# KiCad board for_real_486_2.kicad_pcb (continued)
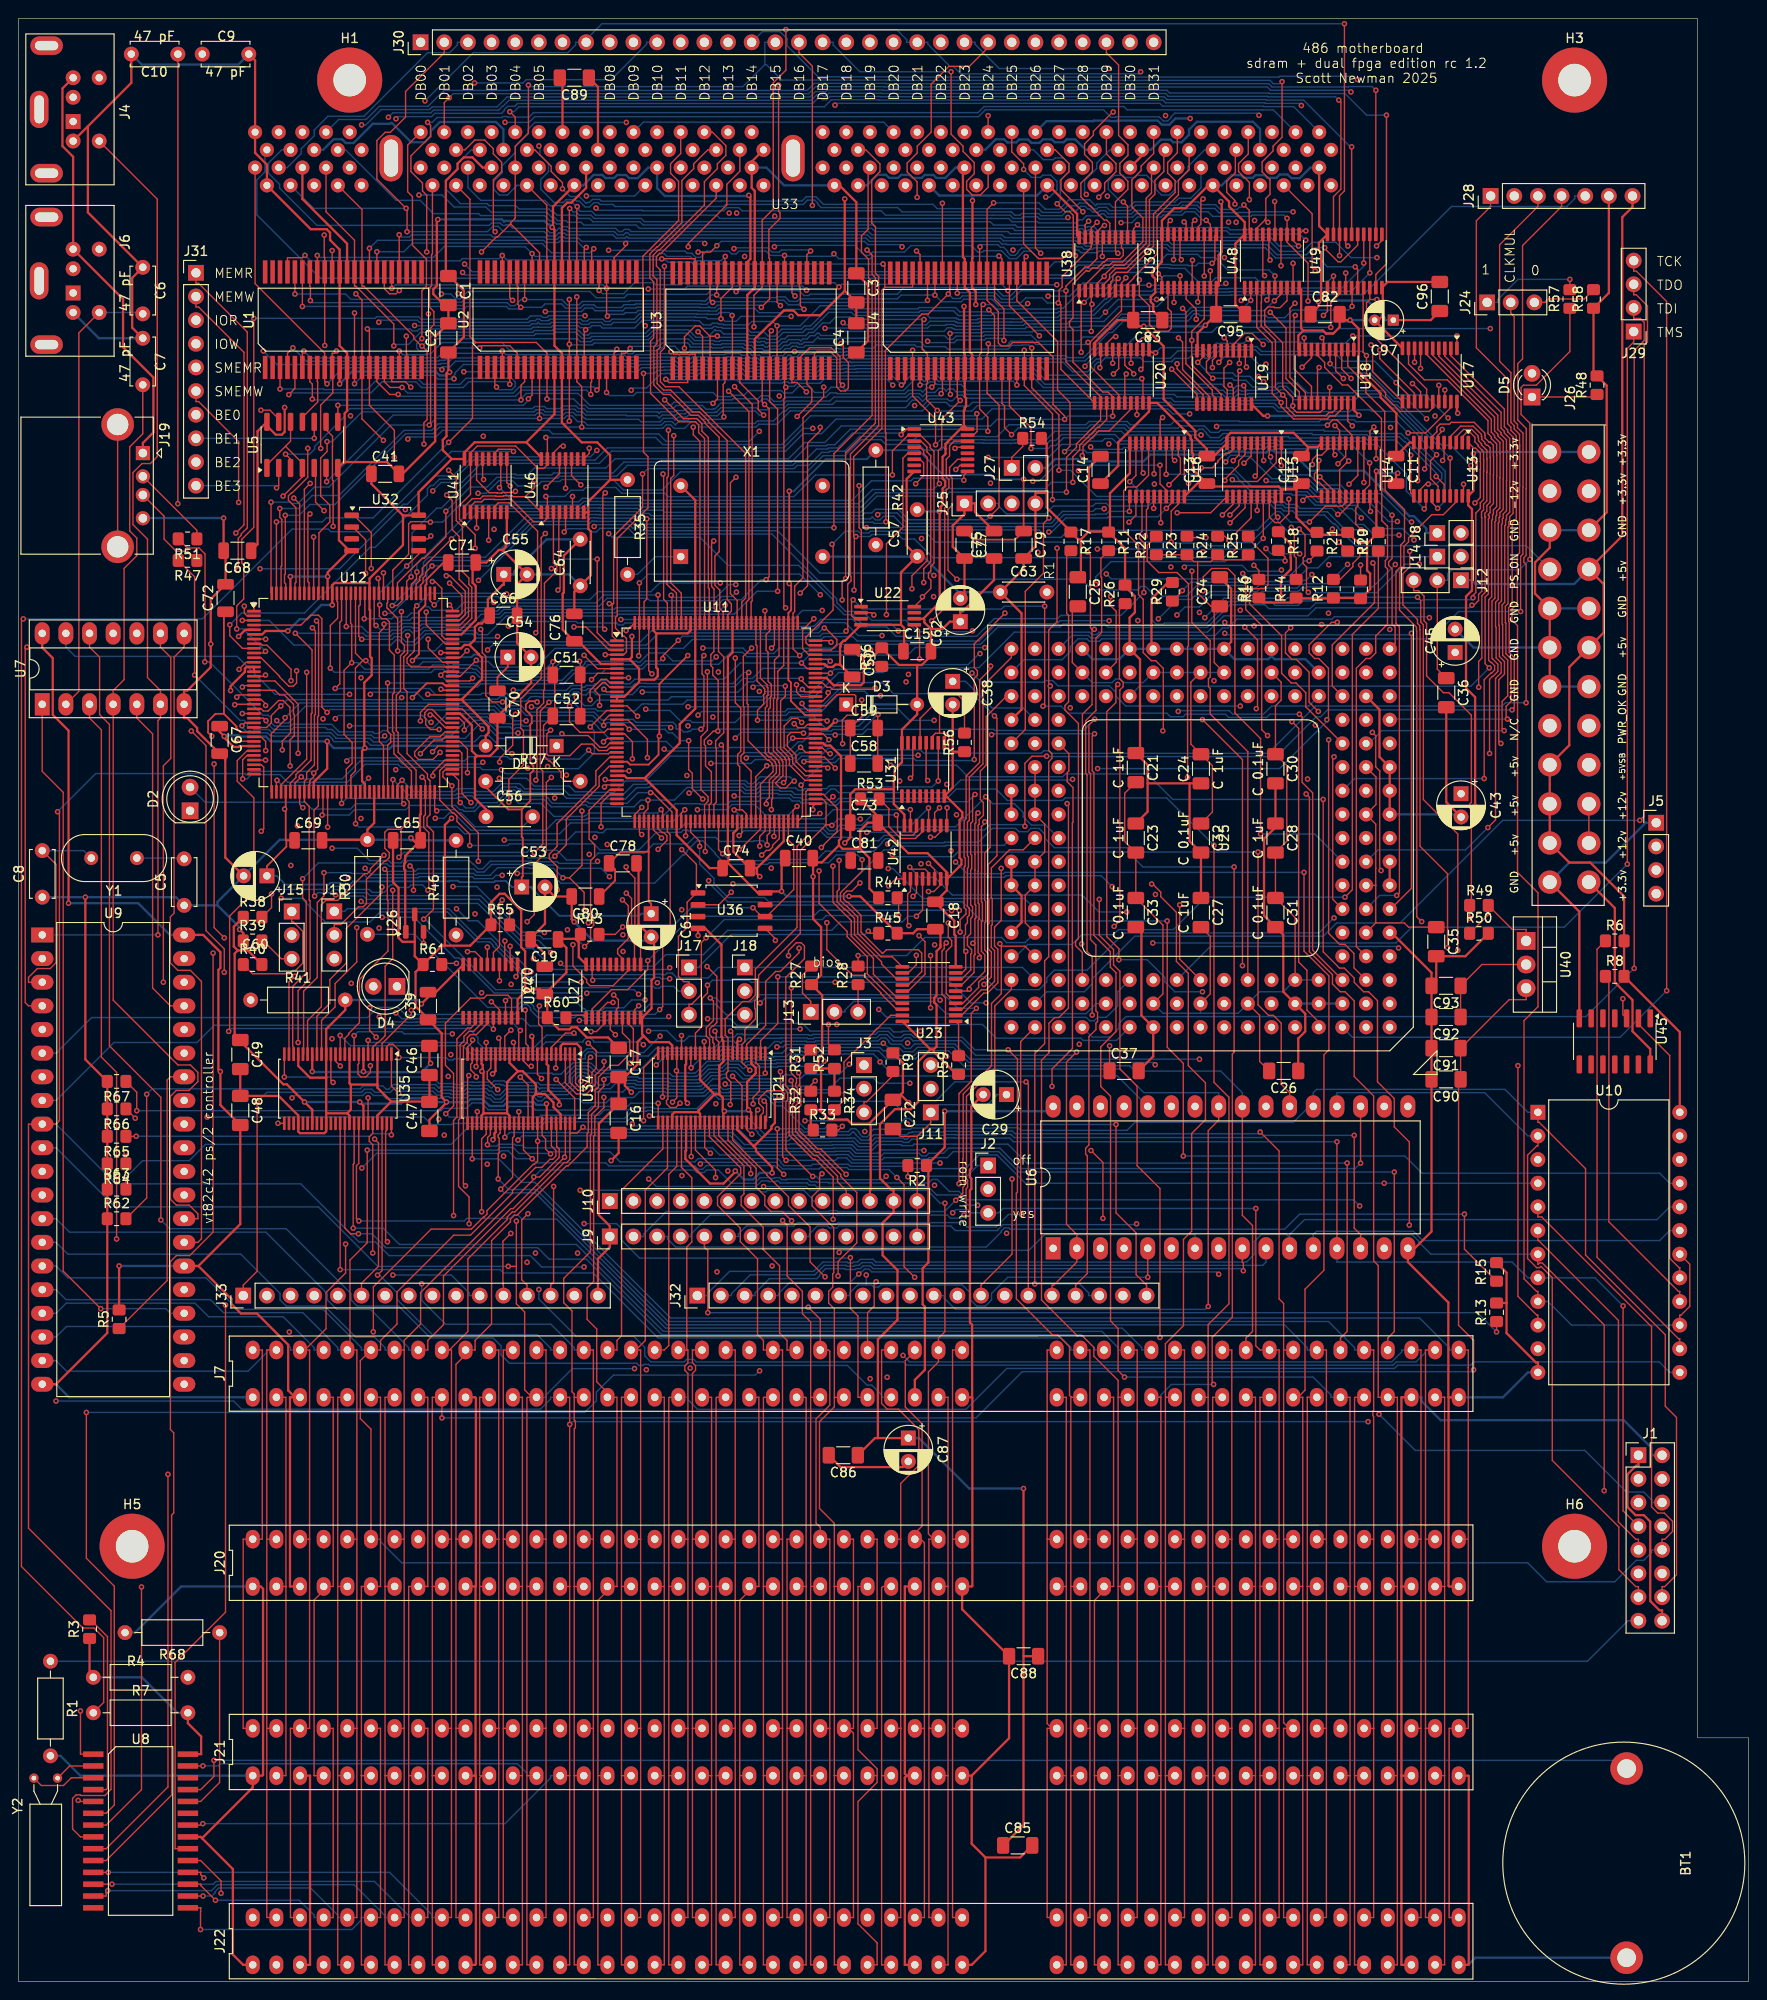
[diagram p0: board, top side]
## Routing (per net, layer and track width the routed paths; a pad name or vN(x,y) marks a point on that pad's centre or on a via; arc(x,y) is an arc through that point) (continued)
DB34: length 128.6
  Top w0.15: v1(143.57,184.16) 143.83,183.89 U49.6
  Bottom w0.15: U33.88 28.26,196.72 26.84,195.31 26.84,194.21 28.03,193.03 28.03,192.63 32.04,188.62 50.55,188.62 50.8,188.87 51.73,188.87 51.99,188.6 52.3,188.6 52.39,188.69 52.68,188.69 53.08,188.3 56.72,188.3 56.73,188.28 56.73,188.16 57.07,187.83 57.55,187.83 58.02,188.3 58.12,188.3 58.3,188.12 58.8,188.12 58.97,187.95 60.42,187.95 60.43,187.95 63.98,187.95 64.33,187.6 64.99,187.6 65.22,187.83 65.41,187.83 65.65,187.6 91.16,187.6 91.52,187.24 103.64,187.24 103.65,187.24 105.48,187.24 105.77,186.95 113.57,186.95 113.86,186.65 114.34,186.65 114.61,186.38 115.19,186.38 115.37,186.55 115.74,186.55 115.75,186.56 123.39,186.56 123.74,186.2 133.92,186.2 135.01,185.11 139.63,185.11 140.59,184.16 v1(143.57,184.16)
DB35: length 138.8
  Top w0.15: U49.9 145.79,183.35 146.93,184.49 v1(146.93,200.45)
  In2.Cu w0.15: U33.89 31.55,199.7 36.55,199.7 v1(36.84,199.41)
  Bottom w0.15: v1(146.93,200.45) 144.79,200.45 142.47,202.77 134.34,202.77 134.28,202.83 123.64,202.83 123.34,203.13 92.85,203.13 92.82,203.16 86.86,203.16 86.6,202.9 86.54,202.9 86.45,202.98 85.58,202.98 85,202.4 52.46,202.4 51.4,201.35 44.42,201.35 44.13,201.05 38.95,201.05 37.31,199.41 v1(36.84,199.41)
DB36: length 130.8
  Top w0.15: U49.12 v1(145.79,203.12)
  Bottom w0.15: U33.91 34.38,199.99 37.33,199.99 38.75,201.4 43.98,201.4 45.69,203.11 84.71,203.11 85.46,203.86 93.11,203.86 93.14,203.83 134.27,203.83 134.63,203.48 142.82,203.48 142.87,203.53 145.38,203.53 v1(145.79,203.12)
DB37: length 117.4
  Top w0.15: U49.15 143.83,186.49 142.05,184.71 141.72,184.71 140.29,186.13 v1(140.29,186.22)
  Bottom w0.15: U33.92 35.12,196.72 40.55,191.3 43.14,191.3 44.56,189.88 49.41,189.88 49.62,189.67 56.48,189.67 57.05,189.1 57.43,189.1 57.56,188.97 57.76,188.76 58.16,188.76 58.44,188.48 58.94,188.48 59.12,188.3 64.12,188.3 64.48,187.95 64.84,187.95 65.08,188.19 65.55,188.19 65.79,187.95 91.31,187.95 91.66,187.6 105.62,187.6 105.91,187.3 114.18,187.3 114.76,186.73 115.05,186.73 115.23,186.91 123.54,186.91 123.89,186.56 134.07,186.56 135.15,185.47 137.1,185.47 137.1,185.47 138.35,185.47 139.1,186.22 v1(140.29,186.22)
DB38: length 121.1
  Top w0.15: U49.16 v1(143.19,197.05)
  In1.Cu w0.15: v1(40.53,200.06) 39.15,198.68 35.61,198.68 U33.93
  Bottom w0.15: v1(143.19,197.05) 143.05,197.05 138.03,202.07 134.05,202.07 133.99,202.12 123.35,202.12 123.05,202.43 92.56,202.43 92.53,202.46 87.15,202.46 86.8,202.1 86.34,202.1 86.16,202.28 85.87,202.28 85.29,201.7 53.59,201.7 53.28,201.39 53,201.39 53,201.4 52.52,201.4 52.18,201.06 52.18,200.95 51.87,200.64 44.71,200.64 44.36,200.29 40.77,200.29 v1(40.53,200.06)
DB39: length 123.2
  Top w0.15: v1(141.81,202.07) 142.03,201.84 142.03,192.51 141.24,191.71 U49.19
  In2.Cu w0.15: U33.94 39.72,199.62 v1(39.72,200.23)
  Bottom w0.15: v1(39.72,200.23) 40.19,200.7 44.27,200.7 44.57,200.99 51.55,200.99 51.96,201.4 52.02,201.4 52.68,202.05 85.14,202.05 85.72,202.63 86.31,202.63 86.48,202.46 86.66,202.46 87.01,202.81 92.67,202.81 92.7,202.78 123.19,202.78 123.49,202.48 134.14,202.48 134.19,202.42 141.46,202.42 v1(141.81,202.07)
DB40: length 120.5
  Top w0.15: v1(43.32,176.45) 43.32,181.6 43.81,182.09 43.81,184.98 43.6,185.19 43.6,185.19 42.3,186.48 42.3,191.71 41.79,192.22 41.79,197.24 U33.95 ; U48.2 v1(132.34,180.56)
  Bottom w0.15: v1(43.32,176.45) 42.75,175.89 42.75,175.42 43.1,175.07 43.57,175.07 44.93,176.43 60.02,176.43 60.32,176.13 61.44,176.13 61.46,176.15 61.51,176.15 61.69,176.33 67.66,176.33 68.37,177.04 71.8,177.04 72.6,176.24 74.71,176.24 74.81,176.15 75.28,176.15 75.38,176.24 78.05,176.24 78.21,176.08 78.86,176.08 79.21,175.73 79.8,175.73 79.86,175.78 79.96,175.78 80.2,175.54 80.44,175.54 80.56,175.66 81.67,175.66 82.08,176.08 82.45,176.08 82.71,176.34 83.87,176.34 84,176.21 84.03,176.21 84.23,176.41 84.69,176.41 85.04,176.76 85.51,176.76 85.77,177.03 85.94,177.03 86.19,176.78 87.9,176.78 88.34,177.23 99.39,177.23 99.78,177.61 100.26,177.61 100.35,177.52 100.47,177.52 100.56,177.43 103.38,177.43 103.48,177.53 106.37,177.53 106.38,177.52 108.1,177.52 108.25,177.68 109.26,177.68 109.26,177.68 110.03,177.68 110.03,177.68 113.89,177.68 114.03,177.81 117.17,177.81 118.43,179.07 125.22,179.07 125.96,179.8 131.59,179.8 v1(132.34,180.56)
DB41: length 136.5
  Top w0.15: U33.97 45.72,201.8 v1(46.25,202.32) ; U48.5 134.3,180.81 v1(134.09,180.6)
  In2.Cu w0.15: v1(143.11,202.95) 143.11,197.84 142.38,197.11 142.38,192.85 138.97,189.44 138.97,184.8 136.36,182.19 136.36,180.14 136.93,179.58 137.34,179.58 137.71,179.2 137.71,178.68 137.39,178.36 136.67,178.36 135.47,179.57 135.47,180.75 135.13,181.08 134.57,181.08 v1(134.09,180.6)
  Bottom w0.15: v1(143.11,202.95) 142.93,203.12 134.48,203.12 134.13,203.48 92.99,203.48 92.96,203.51 85.61,203.51 84.85,202.76 46.68,202.76 v1(46.25,202.32)
DB42: length 110.6
  Top w0.15: 134.94,181.92 v1(134.94,183.19) ; U33.98 47.94,196.72 49,197.78 50.06,197.78 50.98,196.86 50.98,196.3 51.88,195.4 51.88,194.39 50.99,193.5 50.99,188.13 v1(51.18,187.94)
  In2.Cu w0.15: v1(47.9,184.46) 49.26,184.46 51.18,186.38 v1(51.18,187.94)
  Bottom w0.15: v1(134.94,183.19) 134.3,183.83 129.87,183.83 128.55,185.16 126.97,185.16 126.63,185.5 123.34,185.5 122.62,184.78 116.73,184.78 116.64,184.7 111.31,184.7 110.25,183.64 48.73,183.64 v1(47.9,184.46)
DB43: length 107.2
  Top w0.15: U48.9 v1(136.89,184.54)
  In2.Cu w0.15: v1(55.88,197.14) 55.24,197.79 54.09,197.79 53.86,197.56 52.82,197.56 52.6,197.78 51.54,197.78 51.31,197.55 50.29,197.55 49.21,198.63 U33.99 ; v1(136.89,190.07) v1(136.89,184.54)
  Bottom w0.15: v1(136.89,190.07) 132.37,190.07 132.3,190 131.06,190 131.03,189.97 128.94,189.97 128.48,190.43 126.93,190.43 126.58,190.78 125.02,190.78 124.67,190.43 122.64,190.43 122.42,190.21 120.47,190.21 120.47,190.21 119.9,190.21 119.54,189.85 117.06,189.85 116.71,190.2 116.14,190.2 115.96,190.03 115.38,190.03 115.04,190.37 114.85,190.37 114.56,190.66 114.08,190.66 113.59,190.16 112.6,190.16 112.09,189.65 109.81,189.65 109.58,189.88 107.75,189.88 107.57,189.71 106.99,189.71 106.64,190.06 94.89,190.06 94.42,190.53 86.19,190.53 85.84,190.89 85.84,190.99 85.5,191.33 84.74,191.33 84.27,190.86 75.94,190.86 75.72,190.64 64.06,190.64 63.84,190.86 62.45,190.86 62.26,191.05 61.79,191.05 61.32,190.59 60.86,190.59 60.78,190.67 60.23,191.21 59.93,191.21 59.78,191.36 58.81,191.36 58.51,191.06 58.45,191.06 58.44,191.08 57.52,191.08 56.08,192.51 56.08,193.55 56.92,194.39 56.92,195.25 56,196.17 56,197.03 v1(55.88,197.14)
DB44: length 102.1
  Top w0.15: U48.12 136.89,186.99 v1(137.49,186.39)
  Bottom w0.15: U33.100 48.62,196.72 47.11,195.21 47.11,194.7 45.92,193.51 45.92,192.48 47.46,190.94 50.33,190.94 50.55,190.72 53.4,190.72 53.75,190.37 56.95,190.37 57.16,190.16 57.36,190.16 57.82,189.71 59.73,189.71 60.08,189.36 61.33,189.36 61.68,189 66.73,189 67.08,188.65 91.78,188.65 92.13,188.3 106.79,188.3 107.03,188.06 113.77,188.06 113.96,188.26 114.25,188.26 114.45,188.06 114.92,188.06 114.99,188.13 115.35,188.13 115.8,187.67 123.94,187.67 124.29,187.32 134.47,187.32 135.4,186.39 v1(137.49,186.39)
DB45: length 98.7
  Top w0.15: v1(134.91,191.18) 134.94,191.15 134.94,187.65
  In1.Cu w0.15: v1(52.24,199.68) 51.86,199.68 U33.101
  In2.Cu w0.15: v1(133.23,200.43) 133.23,198.41 134.44,197.2 134.44,196.11 133.58,195.25 133.58,194.39 134.82,193.15 134.82,191.27 v1(134.91,191.18)
  Bottom w0.15: v1(52.24,199.68) 54.83,199.68 55.44,200.29 103.11,200.29 103.84,201.02 116.54,201.02 117.34,200.22 117.82,200.22 117.87,200.27 122.52,200.27 122.62,200.17 122.96,199.83 123.43,199.83 123.77,200.17 123.77,200.24 124.2,200.67 133,200.67 v1(133.23,200.43)
DB46: length 113.5
  Top w0.15: U33.103 53.34,200.24 v1(52.76,200.82) ; U48.16 134.3,185.01 v1(134.42,184.88)
  In2.Cu w0.15: v1(134.42,184.88) 134.83,185.29 134.83,188.88 137.83,191.87 138.86,191.87 139.58,192.59 139.58,193.03 142.02,195.48 142.02,197.78 138.31,201.49 v1(137.79,201.49)
  Bottom w0.15: v1(52.76,200.82) 53.21,200.82 53.74,201.35 86.54,201.35 87.3,202.1 92.38,202.1 92.41,202.07 122.9,202.07 123.2,201.77 133.85,201.77 133.9,201.72 137.56,201.72 v1(137.79,201.49)
DB47: length 86.5
  Top w0.15: v1(58.42,192.54) 58.42,193.19 57.2,194.41 57.2,194.96 55.44,196.72 U33.104 ; v1(131.61,190.81) 132.18,190.24 132.18,187.81 U48.19
  Bottom w0.15: v1(131.61,190.81) 131.36,190.56 131.12,190.56 130.89,190.32 129.08,190.32 128.57,190.84 127.02,190.84 126.73,191.13 124.88,191.13 124.52,190.78 119.97,190.78 119.4,190.21 117.21,190.21 116.86,190.56 115.99,190.56 115.82,190.38 115.53,190.38 115.19,190.72 115,190.72 114.71,191.01 113.94,191.01 113.65,190.72 112.65,190.72 111.94,190 109.95,190 109.55,190.41 98.67,190.41 98.2,190.88 86.45,190.88 85.64,191.68 84.59,191.68 84.14,191.23 75.49,191.23 75.47,191.21 62.6,191.21 62.41,191.4 61.64,191.4 61.33,191.09 61.11,191.09 61.01,190.99 60.95,190.99 60.23,191.71 59.25,191.71 v1(58.42,192.54)
DB48: length 49.5
  Top w0.15: U33.139 v1(104.14,200.39) ; v1(120.38,182.77) 120.38,181.06 121.48,179.96 121.48,177.96 122.2,177.24 123.51,177.24 123.81,177.55 123.81,179.33 123.45,179.69 U39.2
  In1.Cu w0.15: v1(104.14,200.39) 111.48,200.39 112.85,199.02 112.85,198.1 111.9,197.16 111.9,196.5 110.67,195.27 110.67,194.63 109.45,193.42 109.45,187.98 114.12,183.31 115.62,183.31 116.6,182.32 119.93,182.32 v1(120.38,182.77)
DB49: length 36.1
  Top w0.15: U39.5 125.4,180.69 126.49,179.61 v1(126.49,178.52)
  In1.Cu w0.15: v1(126.49,178.52) 126.49,179.54 124.45,181.59 116.66,181.59 115.64,182.6 114.27,182.6 106.77,190.1 106.77,193.06 105.41,194.42 U33.140
DB50: length 33.9
  Top w0.15: v1(126.09,184.87) 126.05,184.83 U39.6 ; U33.141 106.68,196.5 107.95,195.23 v1(107.95,194.62)
  In1.Cu w0.15: v1(126.09,184.87) 125.57,184.35 123.39,184.35 122.98,184.76 116.71,184.76 116.64,184.7 116.17,184.7 110.33,190.54 v1(110.33,191.65)
  Bottom w0.15: v1(110.33,191.65) 110.76,191.65 111.53,192.42 111.53,193.35 110.87,194.01 110,194.01 109.76,193.77 108.8,193.77 v1(107.95,194.62)
DB51: length 34.1
  Top w0.15: U39.9 v1(128,183.73) ; v1(113.51,185.36) 113.29,185.58 113.29,189.45 113.28,189.46 113.28,189.7 112.9,190.08 112.41,190.08 v1(111.55,190.93)
  In1.Cu w0.15: v1(128,183.73) 127.91,183.83 123.34,183.83 122.81,184.35 116.8,184.35 116.79,184.35 114.52,184.35 v1(113.51,185.36)
  Bottom w0.15: U33.142 109.01,196.72 110.06,195.67 111.15,195.67 111.33,195.86 112.19,195.86 112.8,195.25 112.8,194.39 111.88,193.47 111.88,191.26 v1(111.55,190.93)
DB52: length 25.7
  Top w0.15: v1(114.32,190.08) 111.97,192.44 111.97,193.51 112.82,194.37 112.82,195.25 111.35,196.72 U33.144 ; U39.12 128,188.73 v1(127.57,189.17)
  In1.Cu w0.15: v1(118.42,188.91) 118.14,189.18 116.54,189.18 115.64,190.08 v1(114.32,190.08)
  Bottom w0.15: v1(127.57,189.17) 127.2,189.17 126.29,190.08 125.31,190.08 124.96,189.72 122.93,189.72 122.71,189.5 120.19,189.5 119.59,188.91 v1(118.42,188.91)
DB53: length 21.8
  Top w0.15: U33.149 116.84,196.29 117.88,195.25 117.88,194.39 116.66,193.16 116.66,192.28 v1(116.02,191.65) ; U39.15 126.05,188.88 v1(126.35,189.17)
  In1.Cu w0.15: v1(126.35,189.17) 123.65,191.87 117.66,191.87 117.15,192.38 116.76,192.38 v1(116.02,191.65)
DB54: length 20.4
  Top w0.15: v1(125.19,188.99) 125.4,188.77 U39.16
  In1.Cu w0.15: v1(125.19,188.99) 124.75,188.55 121.13,188.55 120.16,189.53 117.09,189.53 v1(114.68,191.94)
  Bottom w0.15: U33.150 117.23,196.72 115.8,195.29 115.8,194.71 114.49,193.41 114.49,192.13 v1(114.68,191.94)
DB55: length 17.3
  Top w0.15: U39.19 123.45,188.88 v1(123.71,189.14)
  In1.Cu w0.15: v1(123.71,189.14) 122.43,190.42 118.28,190.42 v1(116.95,191.74)
  In2.Cu w0.15: U33.151 119.38,196.29 118.34,195.25 118.34,194.64 116.95,193.25 v1(116.95,191.74)
DB56: length 22
  Top w0.15: 114.57,181.6 114.57,182.23 116.67,184.33 117.16,184.33 117.51,184.68 118.58,184.68 120.76,186.87 120.76,189.42 119.58,190.61 119.58,193.51 120.57,194.5 120.57,194.98 121.92,196.33 U33.153
DB57: length 18.5
  Top w0.15: U33.154 123.01,196.55 123.01,194.4 122.05,193.44 122.05,191.96 121.46,191.38 121.46,186.49 118.96,183.98 117.83,183.98 117.18,183.33 117.18,182.9 116.52,182.23 U38.5
DB58: length 21.4
  Top w0.15: U33.155 124.46,196.41 123.42,195.37 123.42,194.23 124.23,193.43 124.23,192.15 121.9,189.83 121.9,186.39 119.08,183.56 117.93,183.56 117.53,183.16 117.53,182.75 117.31,182.53 117.31,181.74 117.17,181.6
DB59: length 17.9
  Top w0.15: U38.9 119.11,182.29 119.78,182.95 119.78,183.03 122.28,185.54 122.28,189.59 124.58,191.89 124.58,193.43 125.73,194.58 U33.156
DB60: length 22.5
  Top w0.15: v1(118.66,191.13) 119.11,190.68 U38.12
  Bottom w0.15: U33.158 127.4,196.72 125.61,194.93 125.61,194.5 124.23,193.12 124.23,192.48 123.62,191.87 122.76,191.87 122.15,192.48 122.15,193 121.16,193.99 120.14,193.99 119.91,193.76 118.85,193.76 118.63,193.98 117.67,193.98 117.04,193.35 117.04,192.49 118.4,191.13 v1(118.66,191.13)
DB61: length 30.1
  Top w0.15: 117.17,187.32 117.21,187.37 117.21,188.84 116.87,189.18 116.6,189.18 114.11,191.67 114.11,193.15 115.34,194.39 115.34,195.38 114.5,196.22 114.5,197.35 115.45,198.31 115.45,198.71 117.53,200.79 v1(117.58,200.79)
  In1.Cu w0.15: v1(117.58,200.79) 122.81,200.79 v1(123.2,200.41)
  In2.Cu w0.15: v1(123.2,200.41) 124.6,200.41 125.51,199.49 126.25,199.49 126.43,199.67 128.5,199.67 U33.159
DB62: length 30.1
  Top w0.15: U33.160 130.69,196.6 130.69,194.26 129.77,193.34 129.77,192.16 130.65,191.28 v1(130.65,190.9) ; U38.16 116.41,187.22 v1(116.41,185.28)
  In1.Cu w0.15: v1(116.41,185.28) 117.81,186.68 127.39,186.68 129.39,188.68 129.39,189.19 129.72,189.53 132.37,189.53 v1(132.76,189.14)
  In2.Cu w0.15: v1(130.65,190.9) 132.41,189.14 v1(132.76,189.14)
DB63: length 30.5
  Top w0.15: v1(132.2,191.38) 132.2,193.23 131.04,194.39 131.04,195.25 132.08,196.29 U33.161 ; v1(114.93,189.06) 114.57,188.69 114.57,187.32
  In1.Cu w0.15: v1(114.93,189.06) 114.93,188.97 116.51,187.39 126.36,187.39 126.71,187.73 127.45,187.73 128.68,188.97 128.68,189.48 129.43,190.23 131.91,190.23 132.2,190.53 v1(132.2,191.38)
DQMB0: length 78.9
  Top w0.15: U12.82 45.78,134.18 45.28,133.68 44.15,133.68 42.54,132.07 42.54,131.66 42.95,131.25 44.52,131.25 v1(45.27,132)
  In2.Cu w0.15: U33.28 63.27,194.59 63.27,190.11 61.38,188.22 61.38,187.96 57.56,184.15 57.56,168.85 57.21,168.5 57.21,152.54 56.01,151.34 56.01,150.75 48.83,143.57 48.83,142.7 48.19,142.06 48.19,136.55 45.27,133.63 v1(45.27,132)
DQMB1: length 72.4
  Top w0.15: v1(44.21,136.03) 44.47,136.03 45.83,134.68 U12.83
  In2.Cu w0.15: v1(60.98,191.77) 60.79,191.58 60.79,189.24 54.94,183.39 54.94,179.19 49.07,173.32 49.07,168.72 48.11,167.75 48.11,153.37 47.99,153.25 47.99,147.18 46.53,145.72 46.53,138.36 v1(44.21,136.03)
  Bottom w0.15: U33.29 66.17,191.77 v1(60.98,191.77)
DQMB2: length 106.8
  Top w0.15: U33.46 91.25,194.63 91.25,188.2 90.53,187.48 90.53,185.75 91.29,184.99 91.29,182.97 91.68,182.58 91.68,168.2 87.57,164.09 v1(87.57,156.14) ; U12.84 45.85,135.18 44.78,136.25 44.78,136.27 44.45,136.61 43.97,136.61 43.63,136.27 43.63,136.08 43.61,136.06 43.61,135.75 43.73,135.63 43.73,134.97 44.24,134.47 v1(45.17,134.47)
  In2.Cu w0.15: v1(45.17,134.47) 47.59,136.88 47.59,144.47 48.46,145.35 48.46,145.91 49.39,146.84 v1(49.39,150.48)
  Bottom w0.15: v1(49.39,150.48) 49.4,150.48 55.38,156.46 61.2,156.46 61.24,156.5 61.24,156.51 61.58,156.85 61.76,156.85 61.76,156.84 62.06,156.84 62.09,156.81 65.74,156.81 66.09,156.46 66.76,156.46 67.06,156.16 87.55,156.16 v1(87.57,156.14)
DQMB3: length 98.9
  Top w0.15: v1(47.88,134.4) 47.88,135.15 47.34,135.68 U12.85
  In2.Cu w0.15: v1(86.32,147.25) 87.52,148.45 87.52,152.67 89.36,154.52 89.36,171.5 92.23,174.37 92.23,189.89 U33.47 ; v1(64.69,146.28) 63.1,146.28 59.67,142.85 59.67,141 57.89,139.22 57.89,136.95 57.4,136.45 57.06,136.45 54.69,134.08 v1(53.65,134.08)
  Bottom w0.15: v1(53.65,134.08) 51.56,134.08 51.24,134.39 50.19,135.45 48.92,135.45 v1(47.88,134.4) ; v1(86.32,147.25) 84.2,147.25 83.23,146.28 v1(64.69,146.28)
DQMB_HIGH: length 106.5
  Top w0.15: U12.87 47.64,136.68 v1(49.8,134.52)
  In2.Cu w0.15: U33.130 93.98,197.99 U33.131 ; U33.113 64.77,197.36 U33.112 64.77,194.6 63.73,193.55 63.73,189.81 58.27,184.35 58.27,169.06 57.56,168.36 57.56,152.24 57.81,151.99 57.81,150.75 53.71,146.65 53.71,138.31 49.92,134.52 v1(49.8,134.52)
  Bottom w0.15: U33.113 67.11,199.7 92.91,199.7 U33.131
dram0_en: length 128.1
  Top w0.15: U11.38 66.68,123.44 v1(66.93,123.19) ; v1(88.88,145.03) 89.06,145.21 89.06,150.08 89.41,150.43 89.41,150.91 89.35,150.97 89.35,164.05 92.38,167.08 92.38,183.14 92.03,183.48 92.03,188.47 91.64,188.87 91.64,193.51 92.52,194.39 92.52,195.21 91.01,196.72 U33.128 ; v1(45.35,140.31) 45.72,140.68 U12.95 ; v1(69.19,142.08) 69.19,142.37 v1(70.85,144.04)
  In2.Cu w0.15: v1(66.93,123.19) 66.93,124.42 66.32,125.03 66.32,126.3 66.67,126.65 66.67,127.47 66.75,127.54 66.75,128.05 69.92,131.23 69.92,133.98 69.47,134.43 69.47,142.65 v1(70.85,144.04)
  Bottom w0.15: v1(45.35,140.31) 46.26,139.39 49.14,139.39 49.47,139.72 54.69,139.72 54.71,139.74 58.36,139.74 59.48,140.86 60.64,140.86 61.22,141.44 66.23,141.44 66.34,141.32 66.86,141.32 67.35,141.82 68.93,141.82 v1(69.19,142.08) ; v1(88.88,145.03) 88.64,144.79 86.38,144.79 86.08,144.49 71.31,144.49 v1(70.85,144.04)
dram_A00: length 52.4
  Top w0.15: U11.119 78.68,148.17 78.8,148.28 78.8,169.4 v1(76.9,171.29)
  In1.Cu w0.15: U33.33 76,189.3 76.58,189.3 77.12,189.84 v1(77.12,189.93)
  In2.Cu w0.15: v1(76.9,171.29) 76.07,172.13 76.07,179.23 76.49,179.65 76.49,185.65 76.26,185.88 76.26,188.72 77.12,189.58 v1(77.12,189.93)
dram_A01: length 61.5
  Top w0.15: v1(67.3,177.83) 67.06,178.08 67.06,185.3 70.89,189.13 70.89,193.34 70.03,194.2 70.03,195.24 71.12,196.33 U33.117 ; U11.120 78.18,148.16 78.44,148.43 78.44,168.61 v1(76.26,170.8)
  In1.Cu w0.15: v1(67.3,177.83) 69.94,177.83 76.26,171.51 v1(76.26,170.8)
dram_A02: length 63.6
  Top w0.15: v1(69.37,184.21) 69.37,175.44 68.93,175 68.93,171.82 69.47,171.28 70.92,171.28 78.09,164.11 78.09,148.57 77.68,148.16 U11.121
  In2.Cu w0.15: U33.34 71.12,196.92 71.96,197.76 72.82,197.76 73.43,197.15 73.43,196.29 72.57,195.43 72.57,194.2 73.43,193.34 73.43,190.11 69.66,186.34 69.66,184.51 v1(69.37,184.21)
dram_A03: length 55.6
  Top w0.15: U11.122 77.18,148.33 76.46,149.05 76.46,160.96 v1(77.05,161.56)
  In1.Cu w0.15: v1(77.98,185.27) 77.98,185.79 77.08,186.69 76.6,186.69 76.58,186.67 71.35,191.91 71.35,193.54 72.39,194.58 U33.118
  In2.Cu w0.15: v1(77.98,185.27) 78.13,185.12 78.13,179.17 77.57,178.61 77.57,173.64 77.84,173.37 77.84,162.34 v1(77.05,161.56)
dram_A04: length 54.4
  Top w0.15: U33.35 74.93,191.54 68.99,185.59 68.85,185.59 68.51,185.25 68.51,184.25 68.91,183.84 68.91,175.53 68.58,175.2 68.58,171.62 69.28,170.92 70.04,170.92 72.4,168.56 73.14,168.56 74.1,167.61 74.1,167.51 76.1,165.51 76.1,148.42 76.56,147.97 76.56,147.18 76.18,146.81 U11.124
dram_A05: length 62.1
  Top w0.15: U33.119 74.51,198.63 75.97,197.17 75.97,196.14 75.05,195.22 75.05,194.7 73.66,193.31 73.66,190.8 68.81,185.94 68.7,185.94 68.16,185.4 68.16,183.18 68.56,182.77 68.56,175.89 68.23,175.56 68.23,171.47 69.25,170.45 69.99,170.45 72.22,168.21 73,168.21 73.75,167.46 73.75,167.35 75.25,165.85 75.25,153.56 74.79,153.1 74.79,149.97 75.31,149.44 75.31,147.45 75.68,147.08 U11.125
dram_A06: length 53.6
  Top w0.15: v1(69.39,169.87) 71.41,167.86 72.85,167.86 73.4,167.32 73.4,166.52 74.09,165.83 74.09,149.68 74.18,149.58 U11.128
  In2.Cu w0.15: v1(69.39,169.87) 70.78,171.26 70.78,184.35 72.55,186.12 72.55,186.9 73.78,188.13 73.78,194.7 U33.36
dram_A07: length 58.1
  Top w0.15: U33.120 74.02,196.72 72.51,195.21 72.51,194.7 71.24,193.43 71.24,188.91 68.63,186.3 68.55,186.3 67.8,185.55 67.8,182.95 68.21,182.54 68.21,176.52 67.88,176.19 67.88,170.57 70.94,167.51 72.71,167.51 73.04,167.17 73.04,166.36 73.68,165.72 U11.129
dram_A08: length 50.6
  Top w0.15: v1(72.47,166.93) 72.47,166.12 73.18,165.4 U11.130
  In2.Cu w0.15: v1(72.47,166.93) 73.4,166.93 77.48,171.01 77.48,172.54 77.22,172.79 77.22,178.75 77.75,179.29 77.75,181.64 77.36,182.04 77.36,185.82 77.7,186.17 77.7,192.68 U33.37
dram_A09: length 64.6
  Top w0.15: U11.134 71.18,149.1 70.04,150.23 70.04,161.42 70.37,161.75 v1(70.37,166.03)
  In1.Cu w0.15: v1(76.32,189.93) 76.32,193.25 77.08,194.01 78.08,194.01 78.31,193.78 79.17,193.78 79.78,194.39 79.78,195.25 78.92,196.11 78.92,197.34 79.78,198.2 79.78,199.06 79.17,199.67 78.31,199.67 77.27,198.63 U33.121
  In2.Cu w0.15: v1(70.37,166.03) 70.37,166.15 72.45,168.23 72.45,175.9 72.08,176.27 72.08,176.6 71.97,176.7 71.97,182.22 75.91,186.16 75.91,189.52 v1(76.32,189.93)
dram_A10: length 52.5
  Top w0.15: U11.135 70.66,145.93 70.66,149.12 70.33,149.45 70.24,149.45 69.64,150.05 69.64,161.52 69.79,161.67 69.79,166.6 v1(69.8,166.61)
  In2.Cu w0.15: U33.38 76.2,191.49 74.27,189.56 74.27,186.43 73.93,186.09 73.93,185.87 71.62,183.56 71.62,176.23 72.1,175.75 72.1,168.91 v1(69.8,166.61)
dram_A11: length 63.5
  Top w0.15: U11.136 70.18,148.78 v1(70.09,148.88)
  In2.Cu w0.15: v1(77.03,150.03) 78.58,151.57 78.58,176.93 78.41,177.1 78.41,177.95 78.74,178.29 78.86,178.29 79.19,178.62 79.19,182.55 79.63,182.98 79.63,186.94 81.79,189.1 81.79,196.97 80.13,198.63 U33.123
  Bottom w0.15: v1(70.09,148.88) 70.31,148.65 74.91,148.65 76.28,150.03 v1(77.03,150.03)
dram_A12: length 61
  Top w0.15: v1(69.22,161.91) 69.28,161.84 69.28,148.45 69.68,148.05 U11.137
  In1.Cu w0.15: v1(81.7,170.29) 80.21,170.29 72.19,162.26 69.57,162.26 v1(69.22,161.91)
  In2.Cu w0.15: U33.126 87.63,194.58 84.33,191.28 84.33,182.67 83.97,182.3 83.97,180.79 83.7,180.52 83.7,177.76 81.83,175.88 81.83,171.72 81.7,171.59 v1(81.7,170.29)
DRQ0: length 65.1
  Top w0.15: 132.85,42.42 132.85,62.74 J7.71 ; 132.85,42.42 132.85,22.1 ; 132.85,42.42 J20.71 ; J22.71 132.85,1.78 132.85,22.1 ; J21.71 132.85,22.1
DRQ1: length 181.3
  Top w0.15: J7.18 69.35,62.74 69.35,42.42 ; J21.18 69.35,22.1 ; 69.35,22.1 69.35,1.78 J22.18 ; 69.35,22.1 69.35,42.42 ; U46.12 v1(58.75,160.38) ; 69.35,42.42 J20.18
  In2.Cu w0.15: v1(58.75,160.38) 58.75,159.09 59.18,158.66 59.18,153.8 67.21,145.77 67.21,144.34 67.56,143.98 67.56,143.42 67.91,143.07 67.91,141.64 66.78,140.51 66.78,139.1 63.93,136.25 63.93,128.71 63.86,128.63 63.86,127.91 63.51,127.55 63.51,122.71 63.89,122.33 63.89,121.88 63.11,121.09 63.11,119.92 62.88,119.69 62.88,114.73 62.9,114.71 62.9,106.74 62.47,106.31 62.47,104.43 62.82,104.08 62.82,100.49 61.94,99.62 61.88,99.62 61.67,99.84 61.19,99.84 60.85,99.5 60.85,98.27 61.64,97.48 61.64,96.04 61.54,95.93 61.54,91.03 61.32,90.81 61.32,74.7 61.09,74.47 61.09,72.53 64.41,69.21 64.41,62.37 65.36,61.42 66.23,61.42 67.3,62.48 67.3,62.74 J7.18
DRQ2: length 176.6
  Top w0.15: J7.6 38.87,62.74 38.87,42.42 J20.6 36.82,42.42 36.82,22.1 ; 36.82,22.1 J21.6 ; 36.82,22.1 36.82,22.1 36.82,1.78 J22.6 ; v1(56.57,155.52) 56.13,155.07 56.13,139.96 53.94,137.76 53.94,134.61 54.22,134.32 54.22,130.65 52.66,129.09 v1(52.66,126.66) ; U46.13 58.09,161.95 v1(56.63,160.49)
  In2.Cu w0.15: v1(52.66,126.66) 52.66,123.79 52.03,123.17 51.92,123.17 51.59,122.83 51.59,121.69 47.59,117.69 47.59,117.2 47.05,116.66 46.98,116.66 45.21,114.89 45.21,107.12 44.86,106.77 44.86,106.18 44.54,105.86 44.54,101.84 42.97,100.27 42.97,77.28 40.64,74.95 40.64,71.19 38.87,69.42 38.87,62.74 J7.6 ; v1(56.57,155.52) 56.05,156.04 56.05,159.91 v1(56.63,160.49)
DRQ3: length 179.4
  Top w0.15: 62.22,22.1 62.22,40.92 63.72,42.42 ; 62.22,22.1 J21.16 ; 62.22,22.1 62.22,1.78 J22.16 ; v1(58.49,164.9) 58.17,164.9 57.44,164.18 U46.14 ; 63.76,62.74 64.27,62.74 64.27,42.42 63.72,42.42 ; 63.76,62.74 J7.16 ; 63.76,62.74 62.1,64.4 62.1,70.07 61.06,71.11 61.06,74.48 61.77,75.19 61.77,90.76 61.89,90.89 61.89,92.87 62.86,93.84 v1(62.86,94.95) ; 63.72,42.42 J20.16
  In2.Cu w0.15: v1(58.49,164.9) 59.81,163.59 59.81,160 61.24,158.57 61.24,156.03 63.58,153.69 63.58,150.27 67.56,146.29 67.56,144.48 67.91,144.13 67.91,143.57 68.26,143.22 68.26,141.5 67.29,140.52 67.29,139.02 67.57,138.74 67.57,138.2 66.18,136.82 66.1,136.82 64.64,135.36 64.64,128.42 64.56,128.34 64.56,127.61 64.21,127.26 64.21,124.16 64.4,123.97 64.4,122.84 64.6,122.65 64.6,121.36 64.04,120.8 64.04,118.26 63.25,117.47 63.25,106.6 62.99,106.33 62.99,105.98 62.82,105.81 62.82,104.57 63.17,104.23 63.17,100.17 62.24,99.25 62.24,95.57 v1(62.86,94.95)
DRQ5: length 227.3
  Top w0.15: 137.42,62.74 137.93,62.74 137.93,42.42 ; 137.42,62.74 138.18,63.49 138.18,74.35 140.21,76.39 140.21,99.53 140.75,100.06 140.75,108 138.07,110.68 v1(138.07,119.12) ; 137.42,62.74 J7.73 ; 137.93,42.42 137.93,22.1 ; 137.93,42.42 J20.73 ; v1(57.93,149.44) 58.16,149.67 58.16,152.13 58.03,152.27 58.03,157.72 U46.4 ; J21.73 137.93,22.1 ; 137.93,22.1 137.93,1.78 J22.73
  In1.Cu w0.15: v1(57.93,149.44) 57.93,149.43 63.54,143.82 67.49,143.82 68.65,142.65 69.43,142.65 69.77,142.32 69.77,141.54 74.51,136.8 74.95,136.8 82.75,129 82.75,128.39 83.38,127.76 83.46,127.76 83.66,127.57 86.73,127.57 87,127.83 88.39,127.83 89.3,126.92 89.85,126.92 92.3,124.48 92.3,124.46 93.46,123.3 93.48,123.3 93.69,123.09 93.73,123.09 94.32,122.5 94.32,122.12 96.35,120.09 96.35,119.8 96.69,119.46 99.88,119.46 v1(100.64,120.23)
  Bottom w0.15: v1(138.07,119.12) 105.92,119.12 105.78,118.98 101.9,118.98 v1(100.64,120.23)
DRQ6: length 235.7
  Top w0.15: v1(118.79,64.91) 118.1,65.6 118.1,70.12 117.29,70.93 117.29,95.07 116.24,96.12 116.24,100.38 117.87,102.01 117.87,108.34 117.26,108.95 117.26,110.6 115.5,112.36 115.5,129.85 115.32,130.03 115.32,133.76 v1(115.57,134) ; J20.75 143.01,42.42 ; 143.01,42.42 143.01,22.1 ; 143.01,42.42 143.01,62.74 J7.75 ; 143.01,22.1 J21.75 ; 143.01,22.1 143.01,1.78 J22.75 ; U46.5 58.75,155.83 v1(58.6,155.69)